# Altium PCB rev5.PcbDoc (part 3 of 3)
Units mil, origin at the board's own origin, x right, y up, seen from the top; angles counter-clockwise.
Board outline 1000 x 900 mil, 2 copper layers (Top Layer, Bottom Layer); 120 components, 16 nets, 1280 pads, 0 vias.
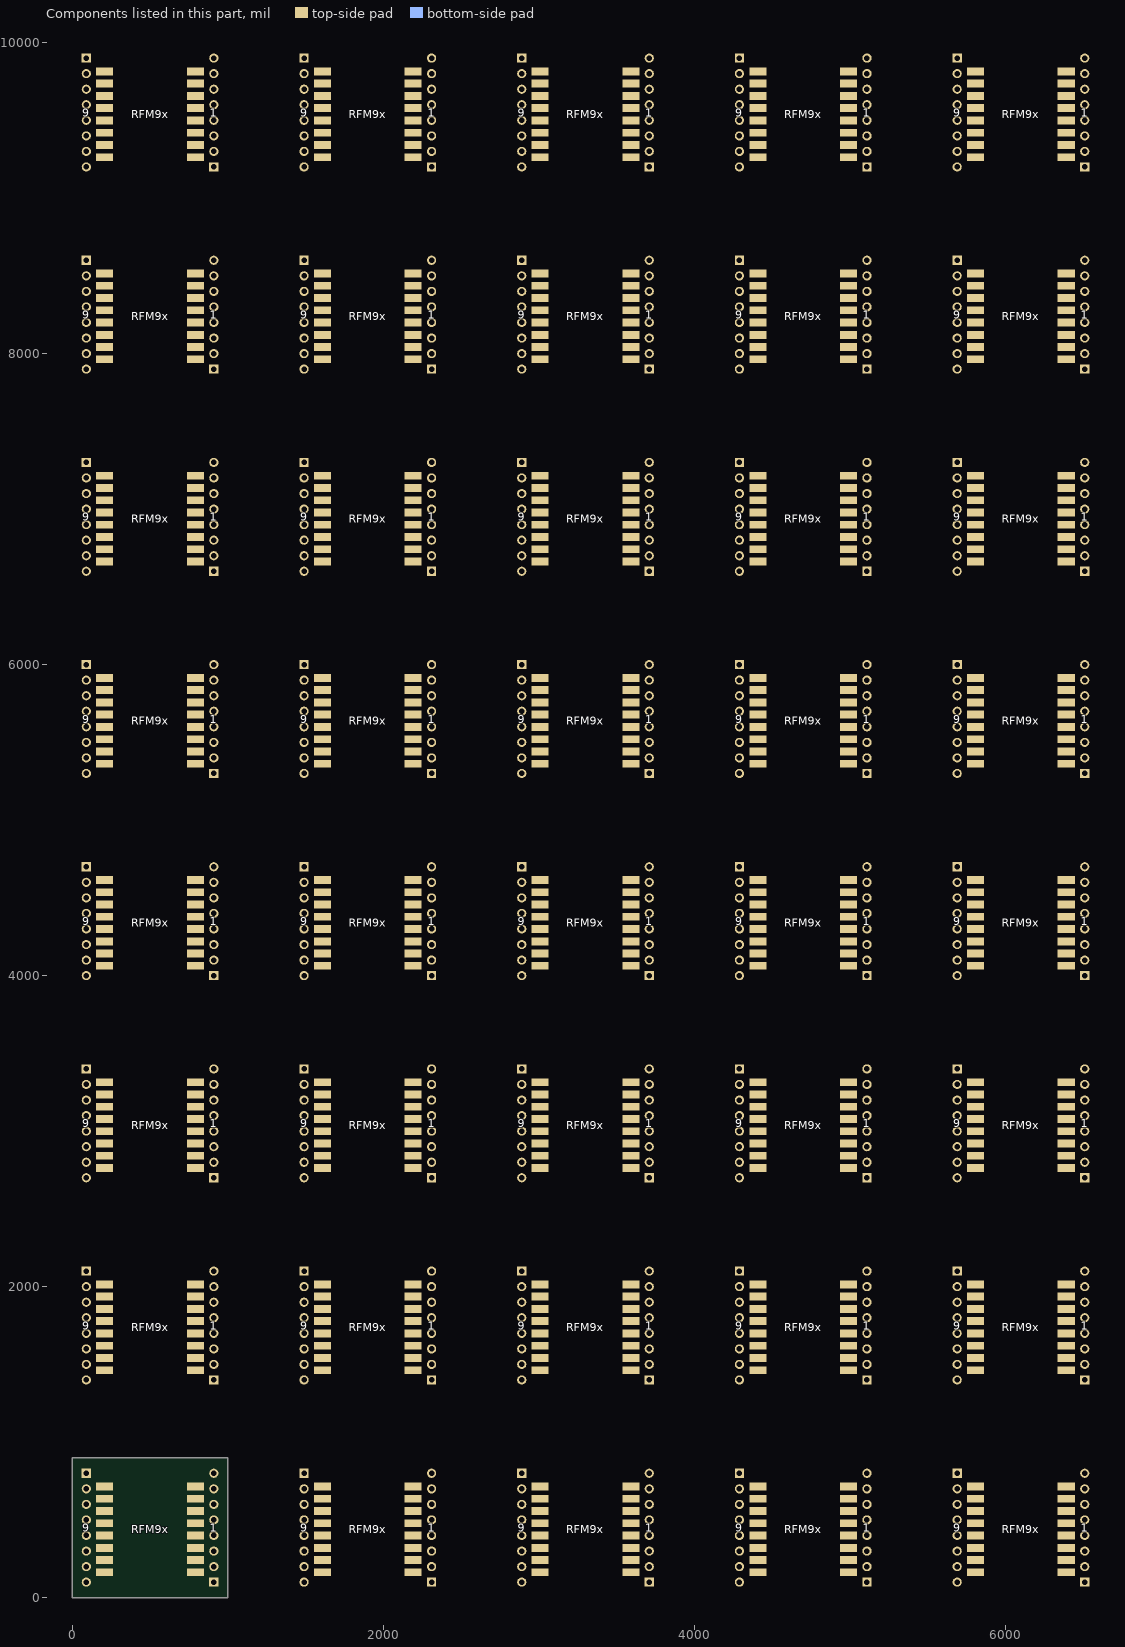
[diagram p3: the components of this part, seen from the top]

## Silkscreen, mask and mechanical layers (free items; w line width, h text height) (continued)
Mechanical 2:
  text "RFM9x" at 400,9900 h50
  text "RFM9x" at 1800,9900 h50
  text "RFM9x" at 3200,9900 h50
  text "RFM9x" at 4600,9900 h50
  text "RFM9x" at 6000,9900 h50
  text "RFM9x" at 400,8600 h50
  text "RFM9x" at 1800,8600 h50
  text "RFM9x" at 3200,8600 h50
  text "RFM9x" at 4600,8600 h50
  text "RFM9x" at 6000,8600 h50
  text "RFM9x" at 400,7300 h50
  text "RFM9x" at 1800,7300 h50
  text "RFM9x" at 3200,7300 h50
  text "RFM9x" at 4600,7300 h50
  text "RFM9x" at 6000,7300 h50
  text "RFM9x" at 400,6000 h50
  text "RFM9x" at 1800,6000 h50
  text "RFM9x" at 3200,6000 h50
  text "RFM9x" at 4600,6000 h50
  text "RFM9x" at 6000,6000 h50
  text "RFM9x" at 400,4700 h50
  text "RFM9x" at 1800,4700 h50
  text "RFM9x" at 3200,4700 h50
  text "RFM9x" at 4600,4700 h50
  text "RFM9x" at 6000,4700 h50
  text "RFM9x" at 400,3400 h50
  text "RFM9x" at 1800,3400 h50
  text "RFM9x" at 3200,3400 h50
  text "RFM9x" at 4600,3400 h50
  text "RFM9x" at 6000,3400 h50
  text "RFM9x" at 400,2100 h50
  text "RFM9x" at 1800,2100 h50
  text "RFM9x" at 3200,2100 h50
  text "RFM9x" at 4600,2100 h50
  text "RFM9x" at 6000,2100 h50
  text "RFM9x" at 400,800 h50
  text "RFM9x" at 1800,800 h50
  text "RFM9x" at 3200,800 h50
  text "RFM9x" at 4600,800 h50
  text "RFM9x" at 6000,800 h50
Mechanical 3:
  text "LoRaWan Thailand." at 320,9155 h30
  text "LoRaWan Thailand." at 1720,9155 h30
  text "LoRaWan Thailand." at 3120,9155 h30
  text "LoRaWan Thailand." at 4520,9155 h30
  text "LoRaWan Thailand." at 5920,9155 h30
  text "LoRaWan Thailand." at 320,7855 h30
  text "LoRaWan Thailand." at 1720,7855 h30
  text "LoRaWan Thailand." at 3120,7855 h30
  text "LoRaWan Thailand." at 4520,7855 h30
  text "LoRaWan Thailand." at 5920,7855 h30
  text "LoRaWan Thailand." at 320,6555 h30
  text "LoRaWan Thailand." at 1720,6555 h30
  text "LoRaWan Thailand." at 3120,6555 h30
  text "LoRaWan Thailand." at 4520,6555 h30
  text "LoRaWan Thailand." at 5920,6555 h30
  text "LoRaWan Thailand." at 320,5255 h30
  text "LoRaWan Thailand." at 1720,5255 h30
  text "LoRaWan Thailand." at 3120,5255 h30
  text "LoRaWan Thailand." at 4520,5255 h30
  text "LoRaWan Thailand." at 5920,5255 h30
  text "LoRaWan Thailand." at 320,3955 h30
  text "LoRaWan Thailand." at 1720,3955 h30
  text "LoRaWan Thailand." at 3120,3955 h30
  text "LoRaWan Thailand." at 4520,3955 h30
  text "LoRaWan Thailand." at 5920,3955 h30
  text "LoRaWan Thailand." at 320,2655 h30
  text "LoRaWan Thailand." at 1720,2655 h30
  text "LoRaWan Thailand." at 3120,2655 h30
  text "LoRaWan Thailand." at 4520,2655 h30
  text "LoRaWan Thailand." at 5920,2655 h30
  text "LoRaWan Thailand." at 320,1355 h30
  text "LoRaWan Thailand." at 1720,1355 h30
  text "LoRaWan Thailand." at 3120,1355 h30
  text "LoRaWan Thailand." at 4520,1355 h30
  text "LoRaWan Thailand." at 5920,1355 h30
  text "LoRaWan Thailand." at 320,55 h30
  text "LoRaWan Thailand." at 1720,55 h30
  text "LoRaWan Thailand." at 3120,55 h30
  text "LoRaWan Thailand." at 4520,55 h30
  text "LoRaWan Thailand." at 5920,55 h30
Mechanical 4:
  circle w10: c6010,9740 r20
  circle w10: c3210,9740 r20
  circle w10: c410,9740 r20
  circle w10: c4610,9740 r20
  circle w10: c1810,9740 r20
  circle w10: c6010,8440 r20
  circle w10: c3210,8440 r20
  circle w10: c410,8440 r20
  circle w10: c4610,8440 r20
  circle w10: c1810,8440 r20
  circle w10: c6010,7140 r20
  circle w10: c3210,7140 r20
  circle w10: c410,7140 r20
  circle w10: c4610,7140 r20
  circle w10: c1810,7140 r20
  circle w10: c6010,5840 r20
  circle w10: c3210,5840 r20
  circle w10: c410,5840 r20
  circle w10: c4610,5840 r20
  circle w10: c1810,5840 r20
  circle w10: c6010,4540 r20
  circle w10: c3210,4540 r20
  circle w10: c410,4540 r20
  circle w10: c4610,4540 r20
  circle w10: c1810,4540 r20
  circle w10: c6010,3240 r20
  circle w10: c3210,3240 r20
  circle w10: c410,3240 r20
  circle w10: c4610,3240 r20
  circle w10: c1810,3240 r20
  circle w10: c6010,1940 r20
  circle w10: c3210,1940 r20
  circle w10: c410,1940 r20
  circle w10: c4610,1940 r20
  circle w10: c1810,1940 r20
  circle w10: c6010,640 r20
  circle w10: c4610,640 r20
  circle w10: c3210,640 r20
  circle w10: c1810,640 r20
  circle w10: c410,640 r20
  rectangle: 5995,9725 6025,9755
  rectangle: 3195,9725 3225,9755
  rectangle: 395,9725 425,9755
  rectangle: 4595,9725 4625,9755
  rectangle: 1795,9725 1825,9755
  rectangle: 5995,8425 6025,8455
  rectangle: 3195,8425 3225,8455
  rectangle: 395,8425 425,8455
  rectangle: 4595,8425 4625,8455
  rectangle: 1795,8425 1825,8455
  rectangle: 5995,7125 6025,7155
  rectangle: 3195,7125 3225,7155
  rectangle: 395,7125 425,7155
  rectangle: 4595,7125 4625,7155
  rectangle: 1795,7125 1825,7155
  rectangle: 5995,5825 6025,5855
  rectangle: 3195,5825 3225,5855
  rectangle: 395,5825 425,5855
  rectangle: 4595,5825 4625,5855
  rectangle: 1795,5825 1825,5855
  rectangle: 5995,4525 6025,4555
  rectangle: 3195,4525 3225,4555
  rectangle: 395,4525 425,4555
  rectangle: 4595,4525 4625,4555
  rectangle: 1795,4525 1825,4555
  rectangle: 5995,3225 6025,3255
  rectangle: 3195,3225 3225,3255
  rectangle: 395,3225 425,3255
  rectangle: 4595,3225 4625,3255
  rectangle: 1795,3225 1825,3255
  rectangle: 5995,1925 6025,1955
  rectangle: 3195,1925 3225,1955
  rectangle: 395,1925 425,1955
  rectangle: 4595,1925 4625,1955
  rectangle: 1795,1925 1825,1955
  rectangle: 5995,625 6025,655
  rectangle: 4595,625 4625,655
  rectangle: 3195,625 3225,655
  rectangle: 1795,625 1825,655
  rectangle: 395,625 425,655
Mechanical 5:
  text "TouYunG" at 410,9235 h25
  text "TouYunG" at 1810,9235 h25
  text "TouYunG" at 3210,9235 h25
  text "TouYunG" at 4610,9235 h25
  text "TouYunG" at 6010,9235 h25
  text "TouYunG" at 410,7935 h25
  text "TouYunG" at 1810,7935 h25
  text "TouYunG" at 3210,7935 h25
  text "TouYunG" at 4610,7935 h25
  text "TouYunG" at 6010,7935 h25
  text "TouYunG" at 410,6635 h25
  text "TouYunG" at 1810,6635 h25
  text "TouYunG" at 3210,6635 h25
  text "TouYunG" at 4610,6635 h25
  text "TouYunG" at 6010,6635 h25
  text "TouYunG" at 410,5335 h25
  text "TouYunG" at 1810,5335 h25
  text "TouYunG" at 3210,5335 h25
  text "TouYunG" at 4610,5335 h25
  text "TouYunG" at 6010,5335 h25
  text "TouYunG" at 410,4035 h25
  text "TouYunG" at 1810,4035 h25
  text "TouYunG" at 3210,4035 h25
  text "TouYunG" at 4610,4035 h25
  text "TouYunG" at 6010,4035 h25
  text "TouYunG" at 410,2735 h25
  text "TouYunG" at 1810,2735 h25
  text "TouYunG" at 3210,2735 h25
  text "TouYunG" at 4610,2735 h25
  text "TouYunG" at 6010,2735 h25
  text "TouYunG" at 410,1435 h25
  text "TouYunG" at 1810,1435 h25
  text "TouYunG" at 3210,1435 h25
  text "TouYunG" at 4610,1435 h25
  text "TouYunG" at 6010,1435 h25
  text "TouYunG" at 410,135 h25
  text "TouYunG" at 1810,135 h25
  text "TouYunG" at 3210,135 h25
  text "TouYunG" at 4610,135 h25
  text "TouYunG" at 6010,135 h25

## Dimensions
0,0 to 1000,0 on Mechanical 16
40,50 to 960,50 on Mechanical 16
90,100 to 910,100 on Mechanical 16
0,900 to 0,0 on Mechanical 16

## Text inside footprints (layer, text, board x,y; h text height)
RFM9x: Top Overlay "IC" at 6165,9374 h40
RFM9x: Top Overlay "IC" at 4765,9374 h40
RFM9x: Top Overlay "IC" at 3365,9374 h40
RFM9x: Top Overlay "IC" at 1965,9374 h40
RFM9x: Top Overlay "IC" at 565,9374 h40
RFM9x: Top Overlay "IC" at 6165,8074 h40
RFM9x: Top Overlay "IC" at 4765,8074 h40
RFM9x: Top Overlay "IC" at 3365,8074 h40
RFM9x: Top Overlay "IC" at 1965,8074 h40
RFM9x: Top Overlay "IC" at 565,8074 h40
RFM9x: Top Overlay "IC" at 6165,6774 h40
RFM9x: Top Overlay "IC" at 4765,6774 h40
RFM9x: Top Overlay "IC" at 3365,6774 h40
RFM9x: Top Overlay "IC" at 1965,6774 h40
RFM9x: Top Overlay "IC" at 565,6774 h40
RFM9x: Top Overlay "IC" at 6165,5474 h40
RFM9x: Top Overlay "IC" at 4765,5474 h40
RFM9x: Top Overlay "IC" at 3365,5474 h40
RFM9x: Top Overlay "IC" at 1965,5474 h40
RFM9x: Top Overlay "IC" at 565,5474 h40
RFM9x: Top Overlay "IC" at 6165,4174 h40
RFM9x: Top Overlay "IC" at 4765,4174 h40
RFM9x: Top Overlay "IC" at 3365,4174 h40
RFM9x: Top Overlay "IC" at 1965,4174 h40
RFM9x: Top Overlay "IC" at 565,4174 h40
RFM9x: Top Overlay "IC" at 6165,2874 h40
RFM9x: Top Overlay "IC" at 4765,2874 h40
RFM9x: Top Overlay "IC" at 3365,2874 h40
RFM9x: Top Overlay "IC" at 1965,2874 h40
RFM9x: Top Overlay "IC" at 565,2874 h40
RFM9x: Top Overlay "IC" at 6165,1574 h40
RFM9x: Top Overlay "IC" at 4765,1574 h40
RFM9x: Top Overlay "IC" at 3365,1574 h40
RFM9x: Top Overlay "IC" at 1965,1574 h40
RFM9x: Top Overlay "IC" at 565,1574 h40
RFM9x: Top Overlay "IC" at 6165,274 h40
RFM9x: Top Overlay "IC" at 4765,274 h40
RFM9x: Top Overlay "IC" at 3365,274 h40
RFM9x: Top Overlay "IC" at 1965,274 h40
RFM9x: Top Overlay "IC" at 565,274 h40